# Altium PCB BloopPadMaxx_00.PcbDoc (part 2 of 3)
Units mm, origin at the board's own origin, x right, y up, seen from the top; angles counter-clockwise.
Board outline 209 x 212 mm, 2 copper layers (Top Layer, Bottom Layer), stack 1.571 mm thick; 206 components, 154 nets, 793 pads, 455 vias.
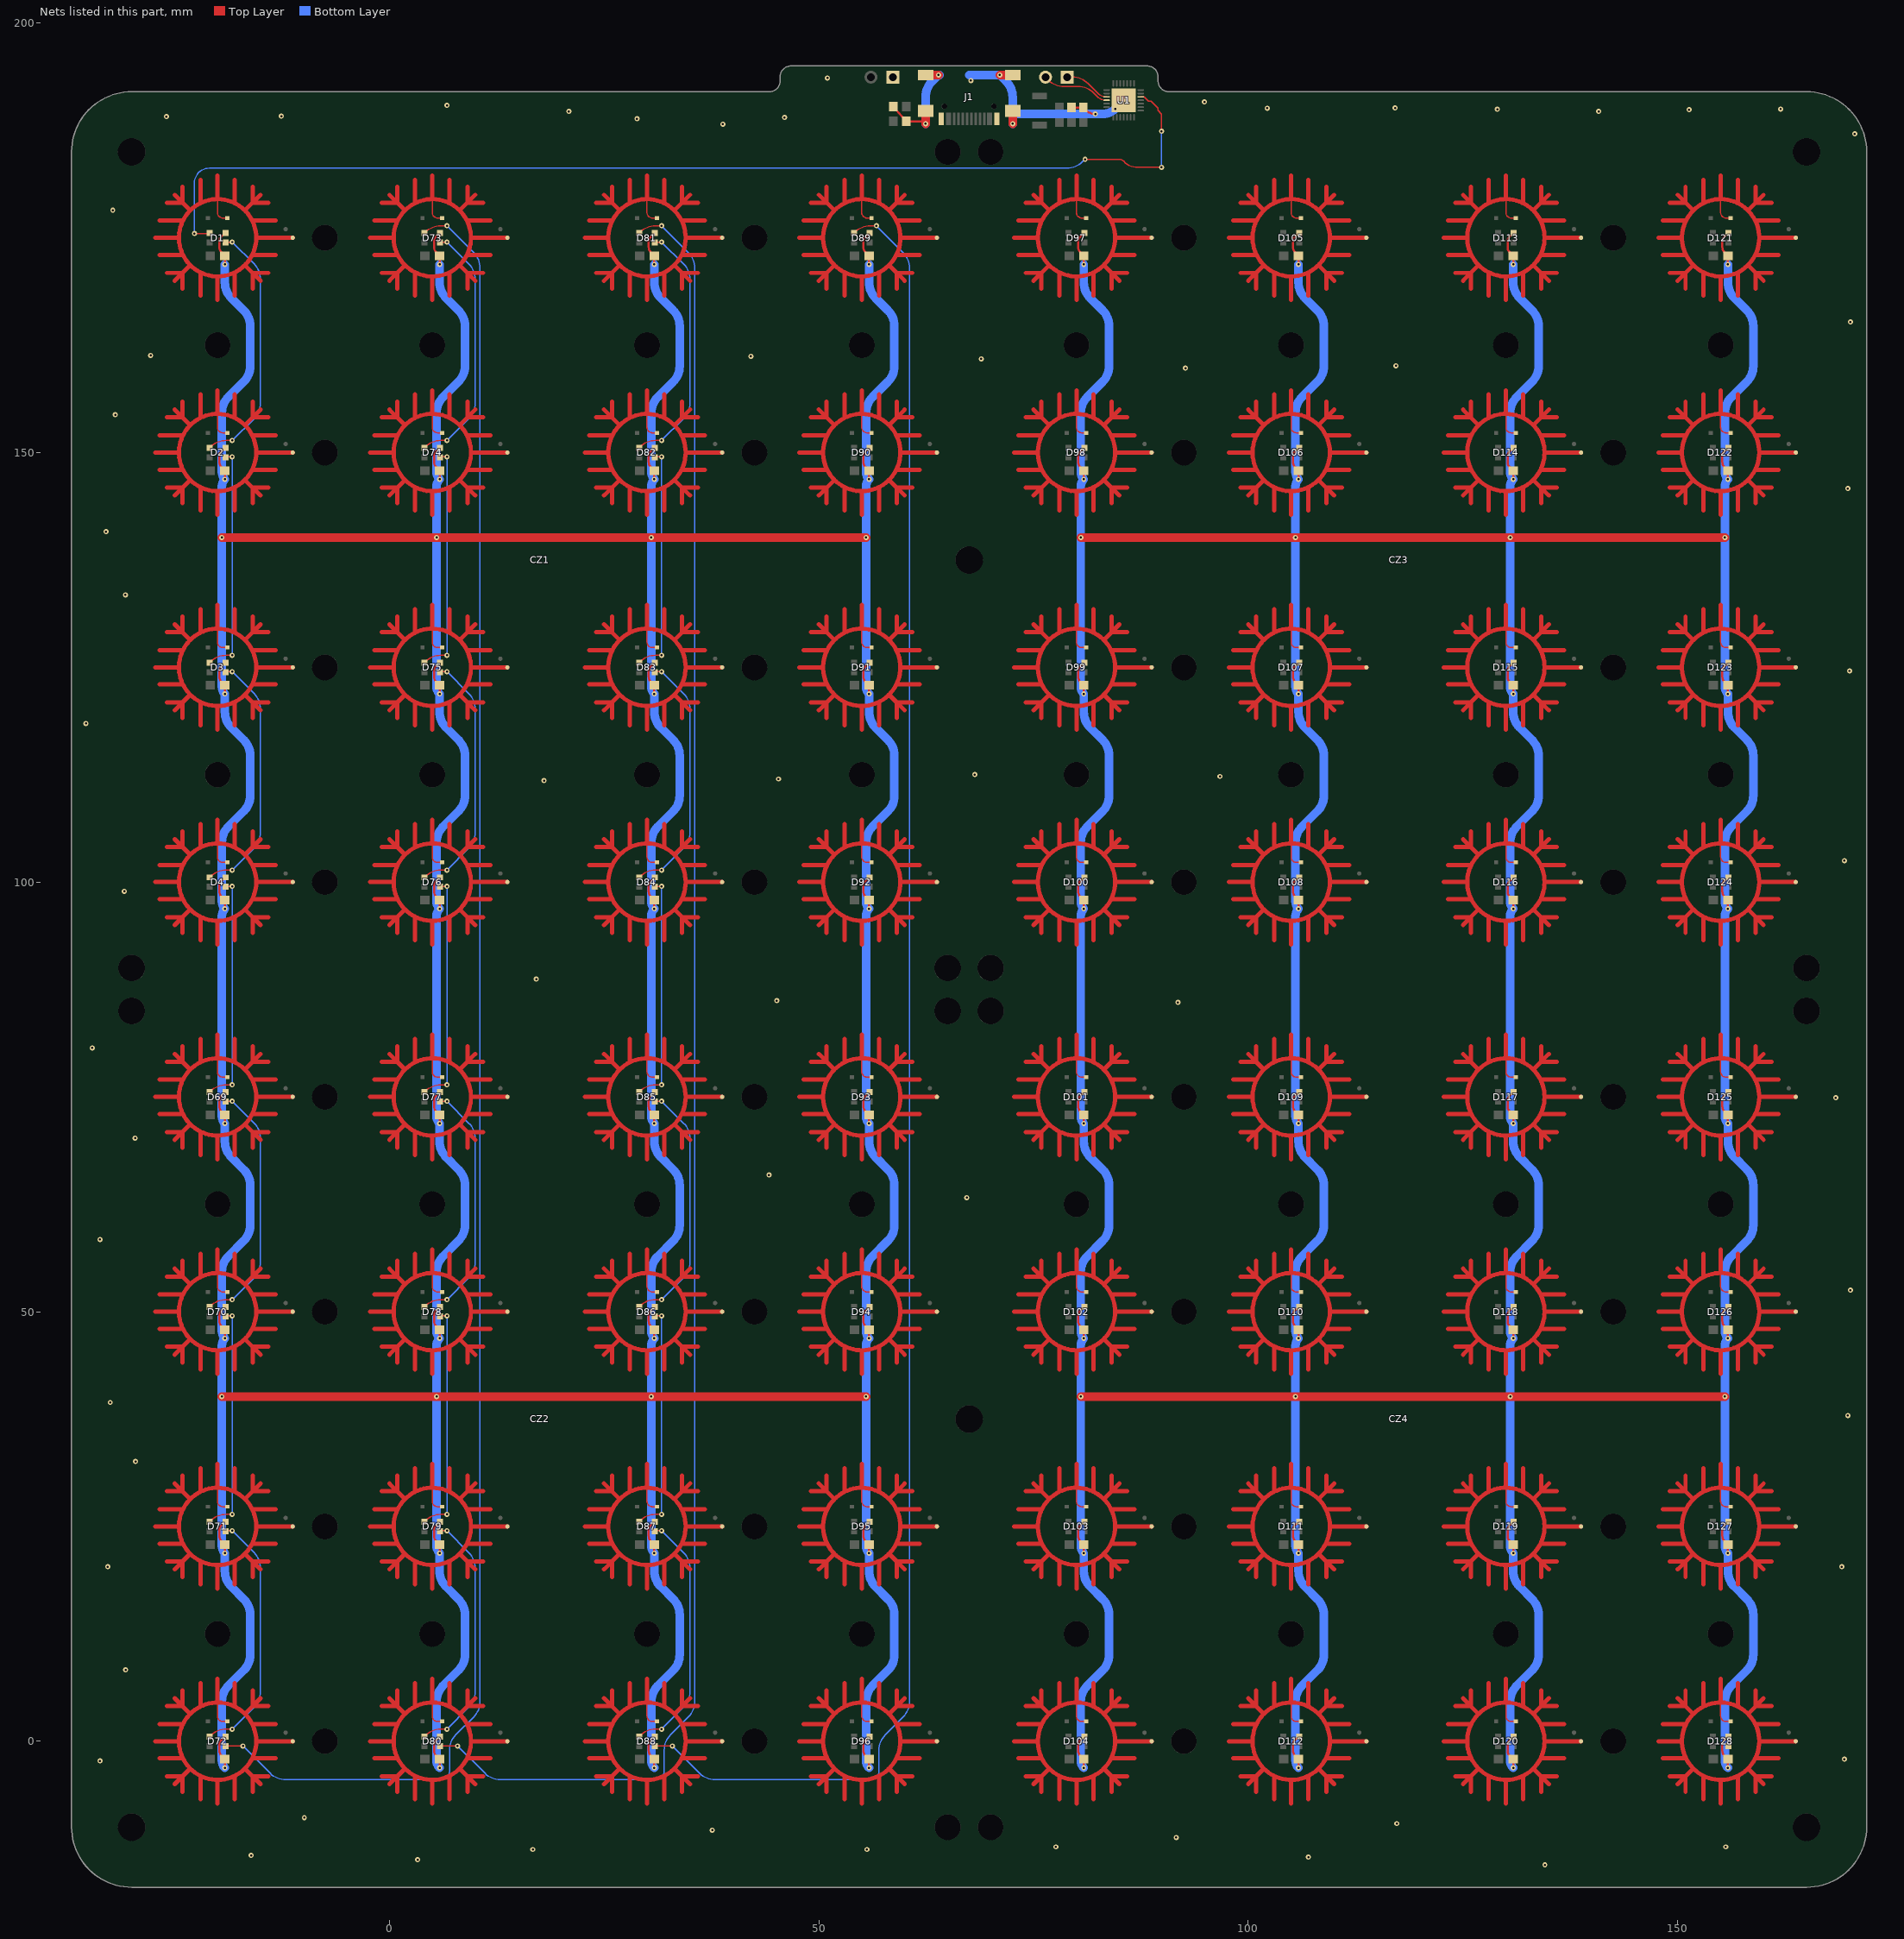
[diagram p2: the nets of this part, all layers, seen from the top]

## Via types
v1: diameter 0.6, hole 0.25, Top Layer to Bottom Layer, 455 vias

## Nets (pads, with @x,y where several pads share a name; then routed paths per layer and width w, separated by ;. In a path a pad name is that pad's centre, name@x,y a point inside that pad or via, vN(x,y) a via of type N, cw(c..) or ccw(c..) an arc to the next point about the centre after c; other vN are vias at no path point) (continued)
GND: C1.2 C2.2 C3.2 C4.2 C5.2 C6.2 C7.2 C8.2 C9.2 C10.2 C11.2 C12.2 C13.2 C14.2 C15.2 C16.2 C17.2 C18.2 C19.2 C20.2 C21.2 C22.2 C23.2 C24.2 C25.2 C26.2 C27.2 C28.2 C29.2 C30.2 C31.2 C32.2 C33.2 C34.2 C35.2 C36.2 C37.2 C38.2 C39.2 C40.2 C41.2 C42.2 C43.2 C44.2 C45.2 C46.2 C47.2 C48.2 C49.2 C50.2 C51.2 C52.2 C53.2 C54.2 C55.2 C56.2 C57.2 C58.2 C59.2 C60.2 C61.2 C62.2 C63.2 C64.2 C65.2 C66.2 D1.2 D2.2 D3.2 D4.2 D69.2 D70.2 D71.2 D72.2 D73.2 D74.2 D75.2 D76.2 D77.2 D78.2 D79.2 D80.2 D81.2 D82.2 D83.2 D84.2 D85.2 D86.2 D87.2 D88.2 D89.2 D90.2 D91.2 D92.2 D93.2 D94.2 D95.2 D96.2 D97.2 D98.2 D99.2 D100.2 D101.2 D102.2 D103.2 D104.2 D105.2 D106.2 D107.2 D108.2 D109.2 D110.2 D111.2 D112.2 D113.2 D114.2 D115.2 D116.2 D117.2 D118.2 D119.2 D120.2 D121.2 D122.2 D123.2 D124.2 D125.2 D126.2 D127.2 D128.2 J1.A1 J1.A12 J1.B1 J1.B12 J1.MH1 J1.MH2 J1.MH3 J1.MH4 P2.1 R2.2 R3.2 U1.29 | length 2086.6
  Top Layer w0.25: v1(-19.15,-3.1) C59.2@-19.15,-2.1 -19.552,-1.698 cw(c-18.955,-1.1) -19.8,-1.1 -19.8,-0.4 cw(c-19.106,-0.4) -19.597,0.091 -19.175,0.513 cw(c-19.085,0.423) D72.2@-19.085,0.55 ; v1(-19.15,21.9) C51.2@-19.15,22.9 -19.552,23.302 cw(c-18.955,23.9) -19.8,23.9 -19.8,24.6 cw(c-19.106,24.6) -19.597,25.091 -19.175,25.513 cw(c-19.085,25.423) D71.2@-19.085,25.55 ; v1(-19.15,46.9) C43.2@-19.15,47.9 -19.552,48.302 cw(c-18.955,48.9) -19.8,48.9 -19.8,49.6 cw(c-19.106,49.6) -19.597,50.091 -19.175,50.513 cw(c-19.085,50.423) D70.2@-19.085,50.55 ; v1(-19.15,71.9) C35.2@-19.15,72.9 -19.552,73.302 cw(c-18.955,73.9) -19.8,73.9 -19.8,74.6 cw(c-19.106,74.6) -19.597,75.091 -19.175,75.513 cw(c-19.085,75.423) D69.2@-19.085,75.55 ; v1(-19.15,96.9) C27.2@-19.15,97.9 -19.552,98.302 cw(c-18.955,98.9) -19.8,98.9 -19.8,99.6 cw(c-19.106,99.6) -19.597,100.091 -19.175,100.513 cw(c-19.085,100.423) D4.2@-19.085,100.55 ; v1(-19.15,121.9) C19.2@-19.15,122.9 -19.552,123.302 cw(c-18.955,123.9) -19.8,123.9 -19.8,124.6 cw(c-19.106,124.6) -19.597,125.091 -19.175,125.513 cw(c-19.085,125.423) D3.2@-19.085,125.55 ; v1(-19.15,146.9) C9.2@-19.15,147.9 -19.552,148.302 cw(c-18.955,148.9) -19.8,148.9 -19.8,149.6 cw(c-19.106,149.6) -19.597,150.091 -19.175,150.513 cw(c-19.085,150.423) D2.2@-19.085,150.55 ; v1(-19.15,171.9) C1.2@-19.15,172.9 -19.552,173.302 cw(c-18.955,173.9) -19.8,173.9 -19.8,174.6 cw(c-19.106,174.6) -19.597,175.091 -19.175,175.513 cw(c-19.085,175.423) D1.2@-19.085,175.55 ; v1(5.85,-3.1) C60.2@5.85,-2.1 5.448,-1.698 cw(c6.045,-1.1) 5.2,-1.1 5.2,-0.4 cw(c5.894,-0.4) 5.403,0.091 5.825,0.513 cw(c5.915,0.423) D80.2@5.915,0.55 ; v1(5.85,21.9) C52.2@5.85,22.9 5.448,23.302 cw(c6.045,23.9) 5.2,23.9 5.2,24.6 cw(c5.894,24.6) 5.403,25.091 5.825,25.513 cw(c5.915,25.423) D79.2@5.915,25.55 ; v1(5.85,46.9) C44.2@5.85,47.9 5.448,48.302 cw(c6.045,48.9) 5.2,48.9 5.2,49.6 cw(c5.894,49.6) 5.403,50.091 5.825,50.513 cw(c5.915,50.423) D78.2@5.915,50.55 ; v1(5.85,71.9) C36.2@5.85,72.9 5.448,73.302 cw(c6.045,73.9) 5.2,73.9 5.2,74.6 cw(c5.894,74.6) 5.403,75.091 5.825,75.513 cw(c5.915,75.423) D77.2@5.915,75.55 ; v1(5.85,96.9) C28.2@5.85,97.9 5.448,98.302 cw(c6.045,98.9) 5.2,98.9 5.2,99.6 cw(c5.894,99.6) 5.403,100.091 5.825,100.513 cw(c5.915,100.423) D76.2@5.915,100.55 ; v1(5.85,121.9) C20.2@5.85,122.9 5.448,123.302 cw(c6.045,123.9) 5.2,123.9 5.2,124.6 cw(c5.894,124.6) 5.403,125.091 5.825,125.513 cw(c5.915,125.423) D75.2@5.915,125.55 ; v1(5.85,146.9) C10.2@5.85,147.9 5.448,148.302 cw(c6.045,148.9) 5.2,148.9 5.2,149.6 cw(c5.894,149.6) 5.403,150.091 5.825,150.513 cw(c5.915,150.423) D74.2@5.915,150.55 ; v1(5.85,171.9) C2.2@5.85,172.9 5.448,173.302 cw(c6.045,173.9) 5.2,173.9 5.2,174.6 cw(c5.894,174.6) 5.403,175.091 5.825,175.513 cw(c5.915,175.423) D73.2@5.915,175.55 ; v1(30.85,-3.1) C61.2@30.85,-2.1 30.448,-1.698 cw(c31.045,-1.1) 30.2,-1.1 30.2,-0.4 cw(c30.894,-0.4) 30.403,0.091 30.825,0.513 cw(c30.915,0.423) D88.2@30.915,0.55 ; v1(30.85,21.9) C53.2@30.85,22.9 30.448,23.302 cw(c31.045,23.9) 30.2,23.9 30.2,24.6 cw(c30.894,24.6) 30.403,25.091 30.825,25.513 cw(c30.915,25.423) D87.2@30.915,25.55 ; v1(30.85,46.9) C45.2@30.85,47.9 30.448,48.302 cw(c31.045,48.9) 30.2,48.9 30.2,49.6 cw(c30.894,49.6) 30.403,50.091 30.825,50.513 cw(c30.915,50.423) D86.2@30.915,50.55 ; v1(30.85,71.9) C37.2@30.85,72.9 30.448,73.302 cw(c31.045,73.9) 30.2,73.9 30.2,74.6 cw(c30.894,74.6) 30.403,75.091 30.825,75.513 cw(c30.915,75.423) D85.2@30.915,75.55 ; v1(30.85,96.9) C29.2@30.85,97.9 30.448,98.302 cw(c31.045,98.9) 30.2,98.9 30.2,99.6 cw(c30.894,99.6) 30.403,100.091 30.825,100.513 cw(c30.915,100.423) D84.2@30.915,100.55 ; v1(30.85,121.9) C21.2@30.85,122.9 30.448,123.302 cw(c31.045,123.9) 30.2,123.9 30.2,124.6 cw(c30.894,124.6) 30.403,125.091 30.825,125.513 cw(c30.915,125.423) D83.2@30.915,125.55 ; v1(30.85,146.9) C11.2@30.85,147.9 30.448,148.302 cw(c31.045,148.9) 30.2,148.9 30.2,149.6 cw(c30.894,149.6) 30.403,150.091 30.825,150.513 cw(c30.915,150.423) D82.2@30.915,150.55 ; v1(30.85,171.9) C3.2@30.85,172.9 30.448,173.302 cw(c31.045,173.9) 30.2,173.9 30.2,174.6 cw(c30.894,174.6) 30.403,175.091 30.825,175.513 cw(c30.915,175.423) D81.2@30.915,175.55 ; v1(55.85,-3.1) C62.2@55.85,-2.1 55.448,-1.698 cw(c56.045,-1.1) 55.2,-1.1 55.2,-0.4 cw(c55.894,-0.4) 55.403,0.091 55.825,0.513 cw(c55.915,0.423) D96.2@55.915,0.55 ; v1(55.85,21.9) C54.2@55.85,22.9 55.448,23.302 cw(c56.045,23.9) 55.2,23.9 55.2,24.6 cw(c55.894,24.6) 55.403,25.091 55.825,25.513 cw(c55.915,25.423) D95.2@55.915,25.55 ; v1(55.85,46.9) C46.2@55.85,47.9 55.448,48.302 cw(c56.045,48.9) 55.2,48.9 55.2,49.6 cw(c55.894,49.6) 55.403,50.091 55.825,50.513 cw(c55.915,50.423) D94.2@55.915,50.55 ; v1(55.85,71.9) C38.2@55.85,72.9 55.448,73.302 cw(c56.045,73.9) 55.2,73.9 55.2,74.6 cw(c55.894,74.6) 55.403,75.091 55.825,75.513 cw(c55.915,75.423) D93.2@55.915,75.55 ; v1(55.85,96.9) C30.2@55.85,97.9 55.448,98.302 cw(c56.045,98.9) 55.2,98.9 55.2,99.6 cw(c55.894,99.6) 55.403,100.091 55.825,100.513 cw(c55.915,100.423) D92.2@55.915,100.55 ; v1(55.85,121.9) C22.2@55.85,122.9 55.448,123.302 cw(c56.045,123.9) 55.2,123.9 55.2,124.6 cw(c55.894,124.6) 55.403,125.091 55.825,125.513 cw(c55.915,125.423) D91.2@55.915,125.55 ; v1(55.85,146.9) C12.2@55.85,147.9 55.448,148.302 cw(c56.045,148.9) 55.2,148.9 55.2,149.6 cw(c55.894,149.6) 55.403,150.091 55.825,150.513 cw(c55.915,150.423) D90.2@55.915,150.55 ; v1(55.85,171.9) C4.2@55.85,172.9 55.448,173.302 cw(c56.045,173.9) 55.2,173.9 55.2,174.6 cw(c55.894,174.6) 55.403,175.091 55.825,175.513 cw(c55.915,175.423) D89.2@55.915,175.55 ; R2.2@58.7,190.25 R3.2@60.2,188.55 61.962,188.55 ccw(c61.962,189.018) 62.43,189.018 ; C18.2@79.4,190.15 C17.2@80.8,190.15 81.09,189.86 ccw(c82.2,190.969) v1(82.2,189.4) ; v1(80.85,-3.1) C63.2@80.85,-2.1 80.448,-1.698 cw(c81.045,-1.1) 80.2,-1.1 80.2,-0.4 cw(c80.894,-0.4) 80.403,0.091 80.825,0.513 cw(c80.915,0.423) D104.2@80.915,0.55 ; v1(80.85,21.9) C55.2@80.85,22.9 80.448,23.302 cw(c81.045,23.9) 80.2,23.9 80.2,24.6 cw(c80.894,24.6) 80.403,25.091 80.825,25.513 cw(c80.915,25.423) D103.2@80.915,25.55 ; v1(80.85,46.9) C47.2@80.85,47.9 80.448,48.302 cw(c81.045,48.9) 80.2,48.9 80.2,49.6 cw(c80.894,49.6) 80.403,50.091 80.825,50.513 cw(c80.915,50.423) D102.2@80.915,50.55 ; v1(80.85,71.9) C39.2@80.85,72.9 80.448,73.302 cw(c81.045,73.9) 80.2,73.9 80.2,74.6 cw(c80.894,74.6) 80.403,75.091 80.825,75.513 cw(c80.915,75.423) D101.2@80.915,75.55 ; v1(80.85,96.9) C31.2@80.85,97.9 80.448,98.302 cw(c81.045,98.9) 80.2,98.9 80.2,99.6 cw(c80.894,99.6) 80.403,100.091 80.825,100.513 cw(c80.915,100.423) D100.2@80.915,100.55 ; v1(80.85,121.9) C23.2@80.85,122.9 80.448,123.302 cw(c81.045,123.9) 80.2,123.9 80.2,124.6 cw(c80.894,124.6) 80.403,125.091 80.825,125.513 cw(c80.915,125.423) D99.2@80.915,125.55 ; v1(80.85,146.9) C13.2@80.85,147.9 80.448,148.302 cw(c81.045,148.9) 80.2,148.9 80.2,149.6 cw(c80.894,149.6) 80.403,150.091 80.825,150.513 cw(c80.915,150.423) D98.2@80.915,150.55 ; v1(80.85,171.9) C5.2@80.85,172.9 80.448,173.302 cw(c81.045,173.9) 80.2,173.9 80.2,174.6 cw(c80.894,174.6) 80.403,175.091 80.825,175.513 cw(c80.915,175.423) D97.2@80.915,175.55 ; v1(105.85,-3.1) C64.2@105.85,-2.1 105.448,-1.698 cw(c106.045,-1.1) 105.2,-1.1 105.2,-0.4 cw(c105.894,-0.4) 105.403,0.091 105.825,0.513 cw(c105.915,0.423) D112.2@105.915,0.55 ; v1(105.85,21.9) C56.2@105.85,22.9 105.448,23.302 cw(c106.045,23.9) 105.2,23.9 105.2,24.6 cw(c105.894,24.6) 105.403,25.091 105.825,25.513 cw(c105.915,25.423) D111.2@105.915,25.55 ; v1(105.85,46.9) C48.2@105.85,47.9 105.448,48.302 cw(c106.045,48.9) 105.2,48.9 105.2,49.6 cw(c105.894,49.6) 105.403,50.091 105.825,50.513 cw(c105.915,50.423) D110.2@105.915,50.55 ; v1(105.85,71.9) C40.2@105.85,72.9 105.448,73.302 cw(c106.045,73.9) 105.2,73.9 105.2,74.6 cw(c105.894,74.6) 105.403,75.091 105.825,75.513 cw(c105.915,75.423) D109.2@105.915,75.55 ; v1(105.85,96.9) C32.2@105.85,97.9 105.448,98.302 cw(c106.045,98.9) 105.2,98.9 105.2,99.6 cw(c105.894,99.6) 105.403,100.091 105.825,100.513 cw(c105.915,100.423) D108.2@105.915,100.55 ; v1(105.85,121.9) C24.2@105.85,122.9 105.448,123.302 cw(c106.045,123.9) 105.2,123.9 105.2,124.6 cw(c105.894,124.6) 105.403,125.091 105.825,125.513 cw(c105.915,125.423) D107.2@105.915,125.55 ; v1(105.85,146.9) C14.2@105.85,147.9 105.448,148.302 cw(c106.045,148.9) 105.2,148.9 105.2,149.6 cw(c105.894,149.6) 105.403,150.091 105.825,150.513 cw(c105.915,150.423) D106.2@105.915,150.55 ; v1(105.85,171.9) C6.2@105.85,172.9 105.448,173.302 cw(c106.045,173.9) 105.2,173.9 105.2,174.6 cw(c105.894,174.6) 105.403,175.091 105.825,175.513 cw(c105.915,175.423) D105.2@105.915,175.55 ; v1(130.85,-3.1) C65.2@130.85,-2.1 130.448,-1.698 cw(c131.045,-1.1) 130.2,-1.1 130.2,-0.4 cw(c130.894,-0.4) 130.403,0.091 130.825,0.513 cw(c130.915,0.423) D120.2@130.915,0.55 ; v1(130.85,21.9) C57.2@130.85,22.9 130.448,23.302 cw(c131.045,23.9) 130.2,23.9 130.2,24.6 cw(c130.894,24.6) 130.403,25.091 130.825,25.513 cw(c130.915,25.423) D119.2@130.915,25.55 ; v1(130.85,46.9) C49.2@130.85,47.9 130.448,48.302 cw(c131.045,48.9) 130.2,48.9 130.2,49.6 cw(c130.894,49.6) 130.403,50.091 130.825,50.513 cw(c130.915,50.423) D118.2@130.915,50.55 ; v1(130.85,71.9) C41.2@130.85,72.9 130.448,73.302 cw(c131.045,73.9) 130.2,73.9 130.2,74.6 cw(c130.894,74.6) 130.403,75.091 130.825,75.513 cw(c130.915,75.423) D117.2@130.915,75.55 ; v1(130.85,96.9) C33.2@130.85,97.9 130.448,98.302 cw(c131.045,98.9) 130.2,98.9 130.2,99.6 cw(c130.894,99.6) 130.403,100.091 130.825,100.513 cw(c130.915,100.423) D116.2@130.915,100.55 ; v1(130.85,121.9) C25.2@130.85,122.9 130.448,123.302 cw(c131.045,123.9) 130.2,123.9 130.2,124.6 cw(c130.894,124.6) 130.403,125.091 130.825,125.513 cw(c130.915,125.423) D115.2@130.915,125.55 ; v1(130.85,146.9) C15.2@130.85,147.9 130.448,148.302 cw(c131.045,148.9) 130.2,148.9 130.2,149.6 cw(c130.894,149.6) 130.403,150.091 130.825,150.513 cw(c130.915,150.423) D114.2@130.915,150.55 ; v1(130.85,171.9) C7.2@130.85,172.9 130.448,173.302 cw(c131.045,173.9) 130.2,173.9 130.2,174.6 cw(c130.894,174.6) 130.403,175.091 130.825,175.513 cw(c130.915,175.423) D113.2@130.915,175.55 ; v1(155.85,-3.1) C66.2@155.85,-2.1 155.448,-1.698 cw(c156.045,-1.1) 155.2,-1.1 155.2,-0.4 cw(c155.894,-0.4) 155.403,0.091 155.825,0.513 cw(c155.915,0.423) D128.2@155.915,0.55 ; v1(155.85,21.9) C58.2@155.85,22.9 155.448,23.302 cw(c156.045,23.9) 155.2,23.9 155.2,24.6 cw(c155.894,24.6) 155.403,25.091 155.825,25.513 cw(c155.915,25.423) D127.2@155.915,25.55 ; v1(155.85,46.9) C50.2@155.85,47.9 155.448,48.302 cw(c156.045,48.9) 155.2,48.9 155.2,49.6 cw(c155.894,49.6) 155.403,50.091 155.825,50.513 cw(c155.915,50.423) D126.2@155.915,50.55 ; v1(155.85,71.9) C42.2@155.85,72.9 155.448,73.302 cw(c156.045,73.9) 155.2,73.9 155.2,74.6 cw(c155.894,74.6) 155.403,75.091 155.825,75.513 cw(c155.915,75.423) D125.2@155.915,75.55 ; v1(155.85,96.9) C34.2@155.85,97.9 155.448,98.302 cw(c156.045,98.9) 155.2,98.9 155.2,99.6 cw(c155.894,99.6) 155.403,100.091 155.825,100.513 cw(c155.915,100.423) D124.2@155.915,100.55 ; v1(155.85,121.9) C26.2@155.85,122.9 155.448,123.302 cw(c156.045,123.9) 155.2,123.9 155.2,124.6 cw(c155.894,124.6) 155.403,125.091 155.825,125.513 cw(c155.915,125.423) D123.2@155.915,125.55 ; v1(155.85,146.9) C16.2@155.85,147.9 155.448,148.302 cw(c156.045,148.9) 155.2,148.9 155.2,149.6 cw(c155.894,149.6) 155.403,150.091 155.825,150.513 cw(c155.915,150.423) D122.2@155.915,150.55 ; v1(155.85,171.9) C8.2@155.85,172.9 155.448,173.302 cw(c156.045,173.9) 155.2,173.9 155.2,174.6 cw(c155.894,174.6) 155.403,175.091 155.825,175.513 cw(c155.915,175.423) D121.2@155.915,175.55
  Top Layer w1: v1(-19.5,40.121) v1(5.5,40.121) v1(30.5,40.121) v1(55.5,40.121) ; v1(-19.5,140.121) v1(5.5,140.121) v1(30.5,140.121) v1(55.5,140.121) ; v1(62.43,188.268) J1.MH4@62.43,189.768 ; J1.MH3@62.43,193.948 v1(63.93,193.948) ; v1(71.07,193.948) J1.MH2@72.57,193.948 ; v1(72.57,188.268) J1.MH1@72.57,189.768 ; v1(80.5,40.121) v1(105.5,40.121) v1(130.5,40.121) v1(155.5,40.121) ; v1(80.5,140.121) v1(105.5,140.121) v1(130.5,140.121) v1(155.5,140.121)
  Bottom Layer w1: v1(-19.15,-3.1) cw(c-18.305,-2.255) -19.5,-2.255 -19.5,4.648 cw(c-16.96,4.648) -18.756,6.444 -16.944,8.256 ccw(c-18.74,10.052) -16.2,10.052 -16.2,14.738 ccw(c-18.74,14.738) -16.944,16.534 -18.406,17.996 cw(c-16.61,19.792) -19.15,19.792 v1(-19.15,21.9) cw(c-18.305,22.745) -19.5,22.745 v1(-19.5,40.121) -19.5,46.055 cw(c-18.305,46.055) v1(-19.15,46.9) cw(c-18.305,47.745) -19.5,47.745 -19.5,54.648 cw(c-16.96,54.648) -18.756,56.444 -16.944,58.256 ccw(c-18.74,60.052) -16.2,60.052 -16.2,64.738 ccw(c-18.74,64.738) -16.944,66.534 -18.406,67.996 cw(c-16.61,69.792) -19.15,69.792 v1(-19.15,71.9) cw(c-18.305,72.745) -19.5,72.745 -19.5,96.055 cw(c-18.305,96.055) v1(-19.15,96.9) cw(c-18.305,97.745) -19.5,97.745 -19.5,104.648 cw(c-16.96,104.648) -18.756,106.444 -16.944,108.256 ccw(c-18.74,110.052) -16.2,110.052 -16.2,114.738 ccw(c-18.74,114.738) -16.944,116.534 -18.406,117.996 cw(c-16.61,119.792) -19.15,119.792 v1(-19.15,121.9) cw(c-18.305,122.745) -19.5,122.745 -19.5,146.055 cw(c-18.305,146.055) v1(-19.15,146.9) cw(c-18.305,147.745) -19.5,147.745 -19.5,154.648 cw(c-16.96,154.648) -18.756,156.444 -16.944,158.256 ccw(c-18.74,160.052) -16.2,160.052 -16.2,164.738 ccw(c-18.74,164.738) -16.944,166.534 -18.406,167.996 cw(c-16.61,169.792) -19.15,169.792 v1(-19.15,171.9) ; v1(5.85,-3.1) cw(c6.695,-2.255) 5.5,-2.255 5.5,4.648 cw(c8.04,4.648) 6.244,6.444 8.056,8.256 ccw(c6.26,10.052) 8.8,10.052 8.8,14.738 ccw(c6.26,14.738) 8.056,16.534 6.594,17.996 cw(c8.39,19.792) 5.85,19.792 v1(5.85,21.9) cw(c6.695,22.745) 5.5,22.745 v1(5.5,40.121) 5.5,46.055 cw(c6.695,46.055) v1(5.85,46.9) cw(c6.695,47.745) 5.5,47.745 5.5,54.648 cw(c8.04,54.648) 6.244,56.444 8.056,58.256 ccw(c6.26,60.052) 8.8,60.052 8.8,64.738 ccw(c6.26,64.738) 8.056,66.534 6.594,67.996 cw(c8.39,69.792) 5.85,69.792 v1(5.85,71.9) cw(c6.695,72.745) 5.5,72.745 5.5,96.055 cw(c6.695,96.055) v1(5.85,96.9) cw(c6.695,97.745) 5.5,97.745 5.5,104.648 cw(c8.04,104.648) 6.244,106.444 8.056,108.256 ccw(c6.26,110.052) 8.8,110.052 8.8,114.738 ccw(c6.26,114.738) 8.056,116.534 6.594,117.996 cw(c8.39,119.792) 5.85,119.792 v1(5.85,121.9) cw(c6.695,122.745) 5.5,122.745 5.5,146.055 cw(c6.695,146.055) v1(5.85,146.9) cw(c6.695,147.745) 5.5,147.745 5.5,154.648 cw(c8.04,154.648) 6.244,156.444 8.056,158.256 ccw(c6.26,160.052) 8.8,160.052 8.8,164.738 ccw(c6.26,164.738) 8.056,166.534 6.594,167.996 cw(c8.39,169.792) 5.85,169.792 v1(5.85,171.9) ; v1(30.85,-3.1) cw(c31.695,-2.255) 30.5,-2.255 30.5,4.648 cw(c33.04,4.648) 31.244,6.444 33.056,8.256 ccw(c31.26,10.052) 33.8,10.052 33.8,14.738 ccw(c31.26,14.738) 33.056,16.534 31.594,17.996 cw(c33.39,19.792) 30.85,19.792 v1(30.85,21.9) cw(c31.695,22.745) 30.5,22.745 v1(30.5,40.121) 30.5,46.055 cw(c31.695,46.055) v1(30.85,46.9) cw(c31.695,47.745) 30.5,47.745 30.5,54.648 cw(c33.04,54.648) 31.244,56.444 33.056,58.256 ccw(c31.26,60.052) 33.8,60.052 33.8,64.738 ccw(c31.26,64.738) 33.056,66.534 31.594,67.996 cw(c33.39,69.792) 30.85,69.792 v1(30.85,71.9) cw(c31.695,72.745) 30.5,72.745 30.5,96.055 cw(c31.695,96.055) v1(30.85,96.9) cw(c31.695,97.745) 30.5,97.745 30.5,104.648 cw(c33.04,104.648) 31.244,106.444 33.056,108.256 ccw(c31.26,110.052) 33.8,110.052 33.8,114.738 ccw(c31.26,114.738) 33.056,116.534 31.594,117.996 cw(c33.39,119.792) 30.85,119.792 v1(30.85,121.9) cw(c31.695,122.745) 30.5,122.745 30.5,146.055 cw(c31.695,146.055) v1(30.85,146.9) cw(c31.695,147.745) 30.5,147.745 30.5,154.648 cw(c33.04,154.648) 31.244,156.444 33.056,158.256 ccw(c31.26,160.052) 33.8,160.052 33.8,164.738 ccw(c31.26,164.738) 33.056,166.534 31.594,167.996 cw(c33.39,169.792) 30.85,169.792 v1(30.85,171.9) ; v1(55.85,-3.1) cw(c56.695,-2.255) 55.5,-2.255 55.5,4.648 cw(c58.04,4.648) 56.244,6.444 58.056,8.256 ccw(c56.26,10.052) 58.8,10.052 58.8,14.738 ccw(c56.26,14.738) 58.056,16.534 56.594,17.996 cw(c58.39,19.792) 55.85,19.792 v1(55.85,21.9) cw(c56.695,22.745) 55.5,22.745 v1(55.5,40.121) 55.5,46.055 cw(c56.695,46.055) v1(55.85,46.9) cw(c56.695,47.745) 55.5,47.745 55.5,54.648 cw(c58.04,54.648) 56.244,56.444 58.056,58.256 ccw(c56.26,60.052) 58.8,60.052 58.8,64.738 ccw(c56.26,64.738) 58.056,66.534 56.594,67.996 cw(c58.39,69.792) 55.85,69.792 v1(55.85,71.9) cw(c56.695,72.745) 55.5,72.745 55.5,96.055 cw(c56.695,96.055) v1(55.85,96.9) cw(c56.695,97.745) 55.5,97.745 55.5,104.648 cw(c58.04,104.648) 56.244,106.444 58.056,108.256 ccw(c56.26,110.052) 58.8,110.052 58.8,114.738 ccw(c56.26,114.738) 58.056,116.534 56.594,117.996 cw(c58.39,119.792) 55.85,119.792 v1(55.85,121.9) cw(c56.695,122.745) 55.5,122.745 55.5,146.055 cw(c56.695,146.055) v1(55.85,146.9) cw(c56.695,147.745) 55.5,147.745 55.5,154.648 cw(c58.04,154.648) 56.244,156.444 58.056,158.256 ccw(c56.26,160.052) 58.8,160.052 58.8,164.738 ccw(c56.26,164.738) 58.056,166.534 56.594,167.996 cw(c58.39,169.792) 55.85,169.792 v1(55.85,171.9) ; v1(62.43,188.268) 62.43,191.395 cw(c64.97,191.395) 63.174,193.191 v1(63.93,193.948) v1@64.033,193.948 ; 67.5,193.948 v1(71.07,193.948) 71.826,193.191 cw(c70.03,191.395) 72.57,191.395 72.57,190.5 ; v1(72.57,188.268) 72.57,189.4 ; v1(80.85,-3.1) cw(c81.695,-2.255) 80.5,-2.255 80.5,4.648 cw(c83.04,4.648) 81.244,6.444 83.056,8.256 ccw(c81.26,10.052) 83.8,10.052 83.8,14.738 ccw(c81.26,14.738) 83.056,16.534 81.594,17.996 cw(c83.39,19.792) 80.85,19.792 v1(80.85,21.9) cw(c81.695,22.745) 80.5,22.745 v1(80.5,40.121) 80.5,46.055 cw(c81.695,46.055) v1(80.85,46.9) cw(c81.695,47.745) 80.5,47.745 80.5,54.648 cw(c83.04,54.648) 81.244,56.444 83.056,58.256 ccw(c81.26,60.052) 83.8,60.052 83.8,64.738 ccw(c81.26,64.738) 83.056,66.534 81.594,67.996 cw(c83.39,69.792) 80.85,69.792 v1(80.85,71.9) cw(c81.695,72.745) 80.5,72.745 80.5,96.055 cw(c81.695,96.055) v1(80.85,96.9) cw(c81.695,97.745) 80.5,97.745 80.5,104.648 cw(c83.04,104.648) 81.244,106.444 83.056,108.256 ccw(c81.26,110.052) 83.8,110.052 83.8,114.738 ccw(c81.26,114.738) 83.056,116.534 81.594,117.996 cw(c83.39,119.792) 80.85,119.792 v1(80.85,121.9) cw(c81.695,122.745) 80.5,122.745 80.5,146.055 cw(c81.695,146.055) v1(80.85,146.9) cw(c81.695,147.745) 80.5,147.745 80.5,154.648 cw(c83.04,154.648) 81.244,156.444 83.056,158.256 ccw(c81.26,160.052) 83.8,160.052 83.8,164.738 ccw(c81.26,164.738) 83.056,166.534 81.594,167.996 cw(c83.39,169.792) 80.85,169.792 v1(80.85,171.9) ; v1(84.5,190) cw(c83.051,191.449) 83.051,189.4 v1(82.2,189.4) 72.57,189.4 ; v1(105.85,-3.1) cw(c106.695,-2.255) 105.5,-2.255 105.5,4.648 cw(c108.04,4.648) 106.244,6.444 108.056,8.256 ccw(c106.26,10.052) 108.8,10.052 108.8,14.738 ccw(c106.26,14.738) 108.056,16.534 106.594,17.996 cw(c108.39,19.792) 105.85,19.792 v1(105.85,21.9) cw(c106.695,22.745) 105.5,22.745 v1(105.5,40.121) 105.5,46.055 cw(c106.695,46.055) v1(105.85,46.9) cw(c106.695,47.745) 105.5,47.745 105.5,54.648 cw(c108.04,54.648) 106.244,56.444 108.056,58.256 ccw(c106.26,60.052) 108.8,60.052 108.8,64.738 ccw(c106.26,64.738) 108.056,66.534 106.594,67.996 cw(c108.39,69.792) 105.85,69.792 v1(105.85,71.9) cw(c106.695,72.745) 105.5,72.745 105.5,96.055 cw(c106.695,96.055) v1(105.85,96.9) cw(c106.695,97.745) 105.5,97.745 105.5,104.648 cw(c108.04,104.648) 106.244,106.444 108.056,108.256 ccw(c106.26,110.052) 108.8,110.052 108.8,114.738 ccw(c106.26,114.738) 108.056,116.534 106.594,117.996 cw(c108.39,119.792) 105.85,119.792 v1(105.85,121.9) cw(c106.695,122.745) 105.5,122.745 105.5,146.055 cw(c106.695,146.055) v1(105.85,146.9) cw(c106.695,147.745) 105.5,147.745 105.5,154.648 cw(c108.04,154.648) 106.244,156.444 108.056,158.256 ccw(c106.26,160.052) 108.8,160.052 108.8,164.738 ccw(c106.26,164.738) 108.056,166.534 106.594,167.996 cw(c108.39,169.792) 105.85,169.792 v1(105.85,171.9) ; v1(130.85,-3.1) cw(c131.695,-2.255) 130.5,-2.255 130.5,4.648 cw(c133.04,4.648) 131.244,6.444 133.056,8.256 ccw(c131.26,10.052) 133.8,10.052 133.8,14.738 ccw(c131.26,14.738) 133.056,16.534 131.594,17.996 cw(c133.39,19.792) 130.85,19.792 v1(130.85,21.9) cw(c131.695,22.745) 130.5,22.745 v1(130.5,40.121) 130.5,46.055 cw(c131.695,46.055) v1(130.85,46.9) cw(c131.695,47.745) 130.5,47.745 130.5,54.648 cw(c133.04,54.648) 131.244,56.444 133.056,58.256 ccw(c131.26,60.052) 133.8,60.052 133.8,64.738 ccw(c131.26,64.738) 133.056,66.534 131.594,67.996 cw(c133.39,69.792) 130.85,69.792 v1(130.85,71.9) cw(c131.695,72.745) 130.5,72.745 130.5,96.055 cw(c131.695,96.055) v1(130.85,96.9) cw(c131.695,97.745) 130.5,97.745 130.5,104.648 cw(c133.04,104.648) 131.244,106.444 133.056,108.256 ccw(c131.26,110.052) 133.8,110.052 133.8,114.738 ccw(c131.26,114.738) 133.056,116.534 131.594,117.996 cw(c133.39,119.792) 130.85,119.792 v1(130.85,121.9) cw(c131.695,122.745) 130.5,122.745 130.5,146.055 cw(c131.695,146.055) v1(130.85,146.9) cw(c131.695,147.745) 130.5,147.745 130.5,154.648 cw(c133.04,154.648) 131.244,156.444 133.056,158.256 ccw(c131.26,160.052) 133.8,160.052 133.8,164.738 ccw(c131.26,164.738) 133.056,166.534 131.594,167.996 cw(c133.39,169.792) 130.85,169.792 v1(130.85,171.9) ; v1(155.85,-3.1) cw(c156.695,-2.255) 155.5,-2.255 155.5,4.648 cw(c158.04,4.648) 156.244,6.444 158.056,8.256 ccw(c156.26,10.052) 158.8,10.052 158.8,14.738 ccw(c156.26,14.738) 158.056,16.534 156.594,17.996 cw(c158.39,19.792) 155.85,19.792 v1(155.85,21.9) cw(c156.695,22.745) 155.5,22.745 v1(155.5,40.121) 155.5,46.055 cw(c156.695,46.055) v1(155.85,46.9) cw(c156.695,47.745) 155.5,47.745 155.5,54.648 cw(c158.04,54.648) 156.244,56.444 158.056,58.256 ccw(c156.26,60.052) 158.8,60.052 158.8,64.738 ccw(c156.26,64.738) 158.056,66.534 156.594,67.996 cw(c158.39,69.792) 155.85,69.792 v1(155.85,71.9) cw(c156.695,72.745) 155.5,72.745 155.5,96.055 cw(c156.695,96.055) v1(155.85,96.9) cw(c156.695,97.745) 155.5,97.745 155.5,104.648 cw(c158.04,104.648) 156.244,106.444 158.056,108.256 ccw(c156.26,110.052) 158.8,110.052 158.8,114.738 ccw(c156.26,114.738) 158.056,116.534 156.594,117.996 cw(c158.39,119.792) 155.85,119.792 v1(155.85,121.9) cw(c156.695,122.745) 155.5,122.745 155.5,146.055 cw(c156.695,146.055) v1(155.85,146.9) cw(c156.695,147.745) 155.5,147.745 155.5,154.648 cw(c158.04,154.648) 156.244,156.444 158.056,158.256 ccw(c156.26,160.052) 158.8,160.052 158.8,164.738 ccw(c156.26,164.738) 158.056,166.534 156.594,167.996 cw(c158.39,169.792) 155.85,169.792 v1(155.85,171.9) ; 72.57,189.4 72.57,190.5 ; 72.57,189.4 72.57,190.5